# Altium PCB Ethernet2Mil_Adapter_Dual.PcbDoc (part 4 of 5) (continued)
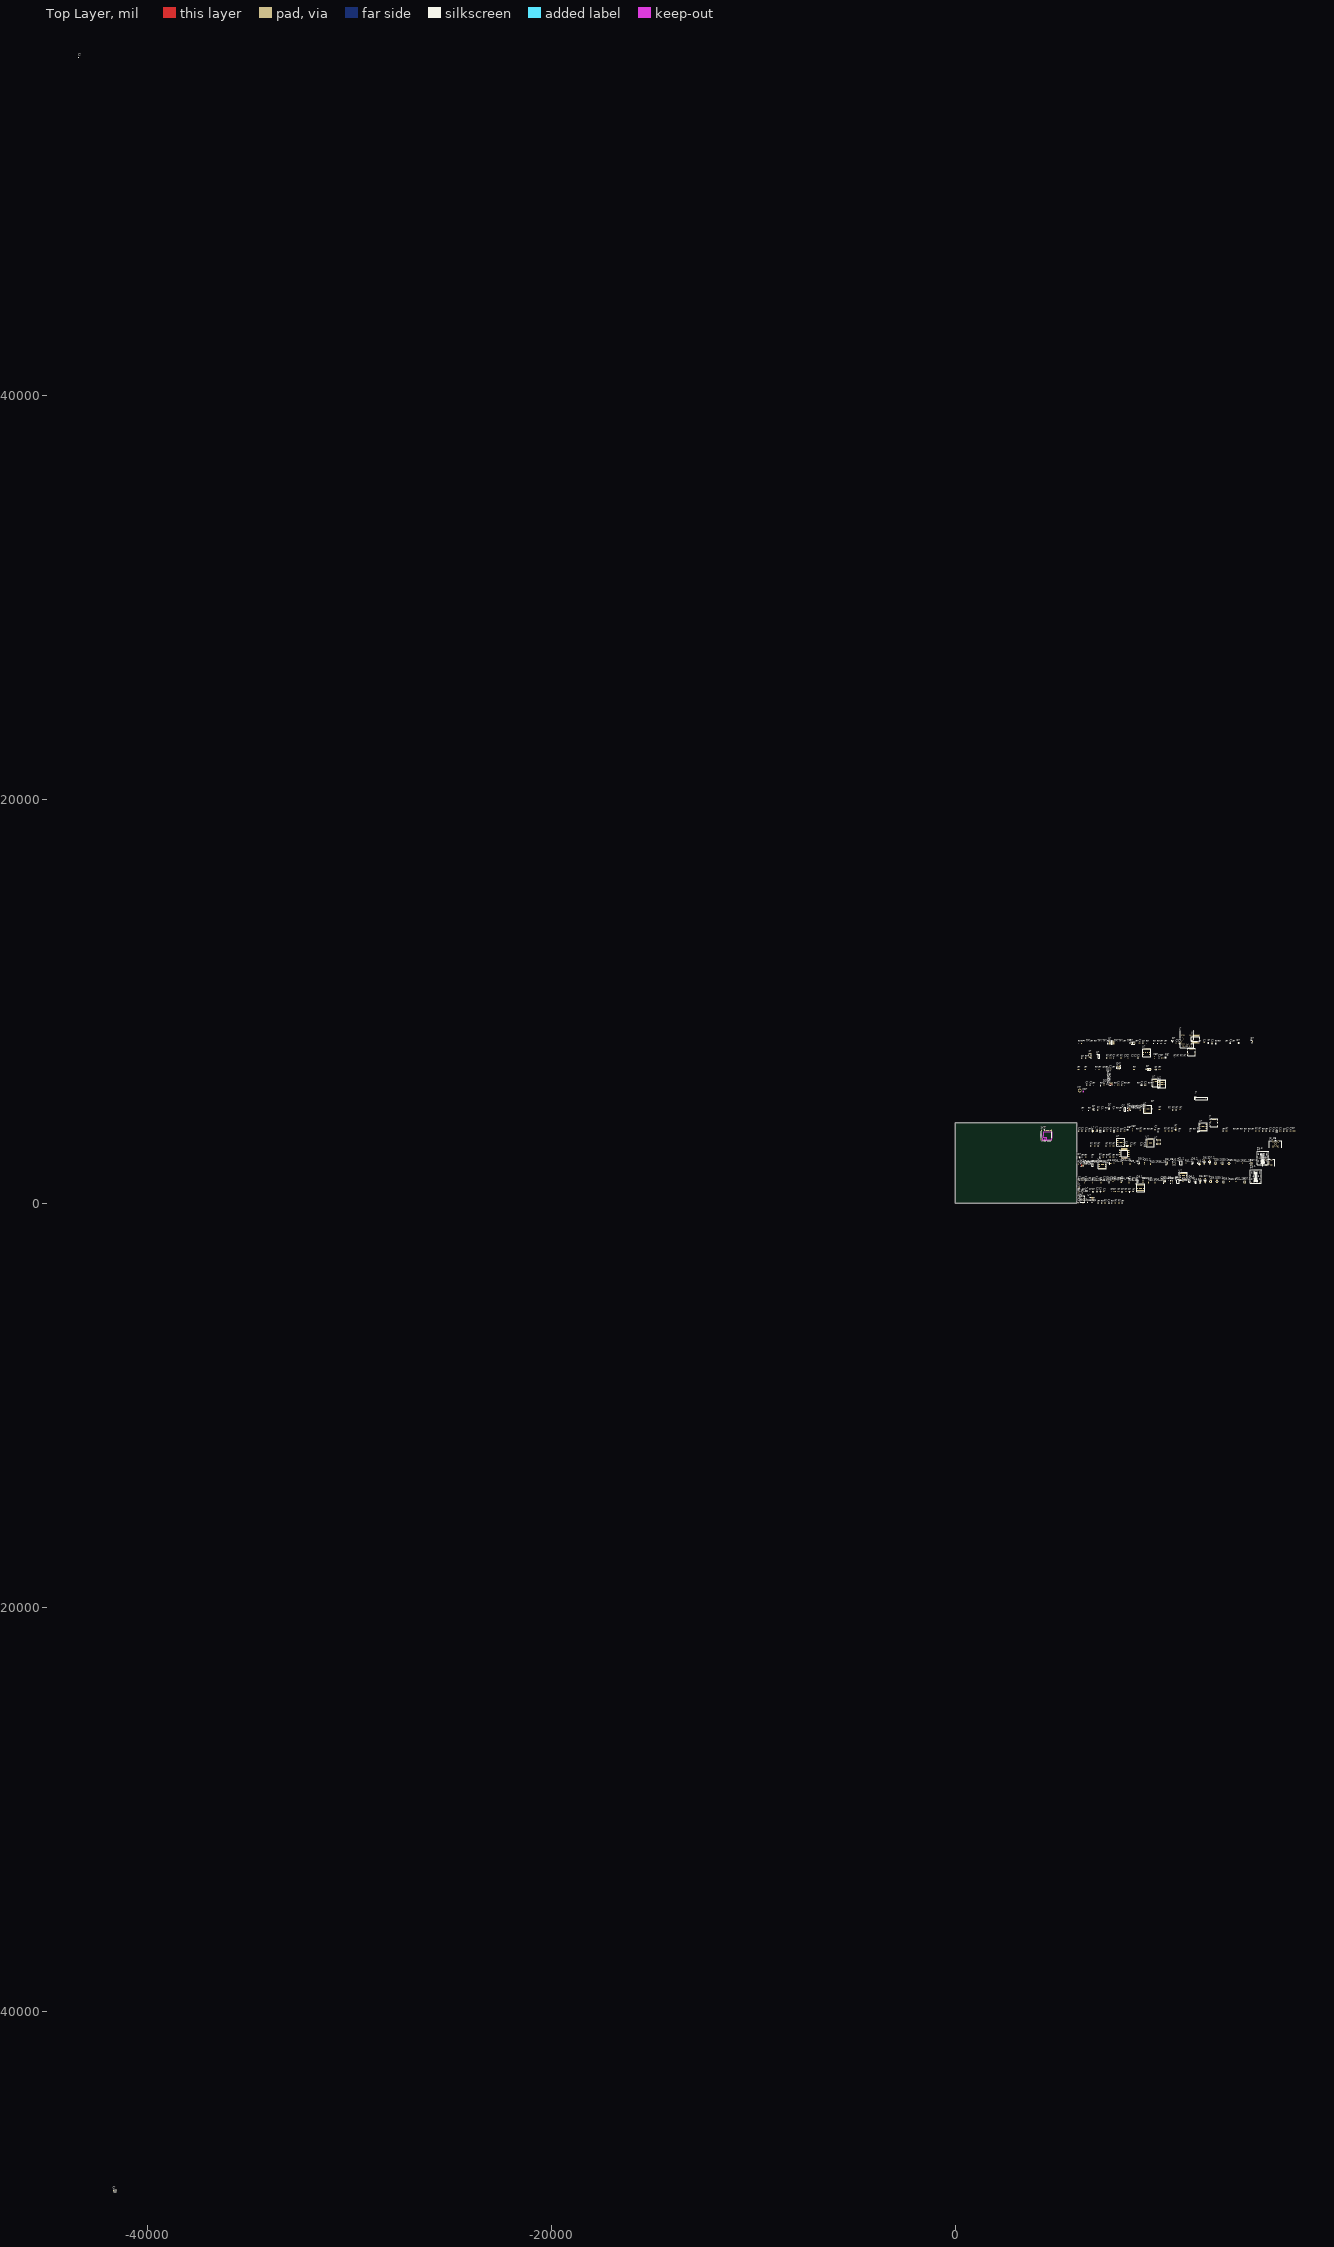
[diagram p0: Top Layer view]
## Nets (pads, with @x,y where several pads share a name; then routed paths per layer and width w, separated by ;. In a path a pad name is that pad's centre, name@x,y a point inside that pad or via, vN(x,y) a via of type N, cw(c..) or ccw(c..) an arc to the next point about the centre after c; other vN are vias at no path point) (continued)
U?.H10@8185,3074.37 U?.H10@9160,814.37 U?.H10@9460,7504.37 U?.H10@9525,4689.37 U?.H10@9645,3049.37 U?.H10@10170.63,5925 U?.H10@11275,1379.37 U?.H10@12215.63,3785 U?.H11@7284.68,1944.37 U?.H11@9179.68,814.37 U?.H11@9479.68,7504.37 U?.H11@9544.68,4689.37 U?.H11@9664.68,3049.37 U?.H11@9890.63,5994.69 U?.H11@10170.63,5944.69 U?.H11@11294.68,1379.37 U?.H11@12215.63,3804.69 U?.H12@7304.37,1944.37 U?.H12@9199.37,814.37 U?.H12@9499.37,7504.37 U?.H12@9564.37,4689.37 U?.H12@9684.37,3049.37 U?.H12@9890.63,6014.37 U?.H12@10170.63,5964.37 U?.H12@11314.37,1379.37 U?.H12@12215.63,3824.37 U?.H13@7324.06,1944.37 U?.H13@8244.06,3074.37 U?.H13@9219.06,814.37 U?.H13@9519.06,7504.37 U?.H13@9584.06,4689.37 U?.H13@9704.06,3049.37 U?.H13@10170.63,5984.06 U?.H13@11334.06,1379.37 U?.H13@12215.63,3844.06 U?.H17@7402.8,1944.37 U?.H17@8322.8,3074.37 U?.H17@9597.8,7504.37 U?.H17@9662.8,4689.37 U?.H17@9782.8,3049.37 U?.H17@9890.63,6112.8 U?.H17@10170.63,6062.8 U?.H17@11412.8,1379.37 U?.H17@12215.63,3922.8 U?.H18@7422.48,1944.37 U?.H18@9317.48,814.37 U?.H18@9617.48,7504.37 U?.H18@9682.48,4689.37 U?.H18@9802.48,3049.37 U?.H18@9890.63,6132.48 U?.H18@10170.63,6082.48 U?.H18@11432.48,1379.37 U?.H18@12215.63,3942.48 U?.H19@7442.17,1944.37 U?.H19@8362.17,3074.37 U?.H19@9637.17,7504.37 U?.H19@9702.17,4689.37 U?.H19@9822.17,3049.37 U?.H19@9890.63,6152.17 U?.H19@10170.63,6102.17 U?.H19@11452.17,1379.37 U?.H19@12215.63,3962.17 U?.J1@7087.83,1924.69 U?.J1@8007.83,3054.69 U?.J1@8982.83,794.69 U?.J1@9282.83,7484.69 U?.J1@9347.83,4669.69 U?.J1@9467.83,3029.69 U?.J1@9910.31,5797.83 U?.J1@10190.31,5747.83 U?.J1@11097.83,1359.69 U?.J2@7107.52,1924.69 U?.J2@8027.52,3054.69 U?.J2@9002.52,794.69 U?.J2@9302.52,7484.69 U?.J2@9367.52,4669.69 U?.J2@9487.52,3029.69 U?.J2@9910.31,5817.52 U?.J2@10190.31,5767.52 U?.J2@11117.52,1359.69 U?.J3@7127.2,1924.69 U?.J3@8047.2,3054.69 U?.J3@9022.2,794.69 U?.J3@9322.2,7484.69 U?.J3@9387.2,4669.69 U?.J3@9507.2,3029.69 U?.J3@9910.31,5837.2 U?.J3@10190.31,5787.2 U?.J3@11137.2,1359.69 U?.J7@7205.94,1924.69 U?.J7@8125.94,3054.69 U?.J7@9100.94,794.69 U?.J7@9400.94,7484.69 U?.J7@9465.94,4669.69 U?.J7@9585.94,3029.69 U?.J7@9910.31,5915.94 U?.J7@11215.94,1359.69 U?.J7@12235.31,3725.94 U?.J8@7225.63,1924.69 U?.J8@9120.63,794.69 U?.J8@9420.63,7484.69 U?.J8@9485.63,4669.69 U?.J8@9605.63,3029.69 U?.J8@9910.31,5935.63 U?.J8@10190.31,5885.63 U?.J8@11235.63,1359.69 U?.J8@12235.31,3745.63 U?.J9@7245.31,1924.69 U?.J9@9140.31,794.69 U?.J9@9440.31,7484.69 U?.J9@9505.31,4669.69 U?.J9@9625.31,3029.69 U?.J9@9910.31,5955.31 U?.J9@10190.31,5905.31 U?.J9@11255.31,1359.69 U?.J9@12235.31,3765.31 U?.J10@7265,1924.69 U?.J10@8185,3054.69 U?.J10@9160,794.69 U?.J10@9460,7484.69 U?.J10@9525,4669.69 U?.J10@9645,3029.69 U?.J10@10190.31,5925 U?.J10@11275,1359.69 U?.J10@12235.31,3785 U?.J11@7284.68,1924.69 U?.J11@9179.68,794.69 U?.J11@9479.68,7484.69 U?.J11@9544.68,4669.69 U?.J11@9664.68,3029.69 U?.J11@9910.31,5994.69 U?.J11@10190.31,5944.69 U?.J11@11294.68,1359.69 U?.J11@12235.31,3804.69 U?.J12@7304.37,1924.69 U?.J12@9199.37,794.69 U?.J12@9499.37,7484.69 U?.J12@9564.37,4669.69 U?.J12@9684.37,3029.69 U?.J12@9910.31,6014.37 U?.J12@10190.31,5964.37 U?.J12@11314.37,1359.69 U?.J12@12235.31,3824.37 U?.J13@7324.06,1924.69 U?.J13@8244.06,3054.69 U?.J13@9219.06,794.69 U?.J13@9519.06,7484.69 U?.J13@9584.06,4669.69 U?.J13@9704.06,3029.69 U?.J13@10190.31,5984.06 U?.J13@11334.06,1359.69 U?.J13@12235.31,3844.06 U?.J17@7402.8,1924.69 U?.J17@8322.8,3054.69 U?.J17@9597.8,7484.69 U?.J17@9662.8,4669.69 U?.J17@9782.8,3029.69 U?.J17@9910.31,6112.8 U?.J17@10190.31,6062.8 U?.J17@11412.8,1359.69 U?.J17@12235.31,3922.8 U?.J18@7422.48,1924.69 U?.J18@8342.48,3054.69 U?.J18@9617.48,7484.69 U?.J18@9682.48,4669.69 U?.J18@9802.48,3029.69 U?.J18@9910.31,6132.48 U?.J18@10190.31,6082.48 U?.J18@11432.48,1359.69 U?.J18@12235.31,3942.48 U?.J19@7442.17,1924.69 U?.J19@8362.17,3054.69 U?.J19@9637.17,7484.69 U?.J19@9702.17,4669.69 U?.J19@9822.17,3029.69 U?.J19@9910.31,6152.17 U?.J19@10190.31,6102.17 U?.J19@11452.17,1359.69 U?.J19@12235.31,3962.17 U?.K1@7087.83,1905 U?.K1@8007.83,3035 U?.K1@8982.83,775 U?.K1@9282.83,7465 U?.K1@9347.83,4650 U?.K1@9467.83,3010 U?.K1@9930,5797.83 U?.K1@11097.83,1340 U?.K1@12255,3607.83 U?.K2@7107.52,1905 U?.K2@8027.52,3035 U?.K2@9002.52,775 U?.K2@9302.52,7465 U?.K2@9367.52,4650 U?.K2@9487.52,3010 U?.K2@9930,5817.52 U?.K2@10210,5767.52 U?.K2@11117.52,1340 U?.K3@7127.2,1905 U?.K3@8047.2,3035 U?.K3@9022.2,775 U?.K3@9322.2,7465 U?.K3@9387.2,4650 U?.K3@9507.2,3010 U?.K3@9930,5837.2 U?.K3@10210,5787.2 U?.K3@11137.2,1340 U?.K7@7205.94,1905 U?.K7@8125.94,3035 U?.K7@9100.94,775 U?.K7@9400.94,7465 U?.K7@9465.94,4650 U?.K7@9585.94,3010 U?.K7@9930,5915.94 U?.K7@11215.94,1340 U?.K7@12255,3725.94 U?.K8@7225.63,1905 U?.K8@9120.63,775 U?.K8@9420.63,7465 U?.K8@9485.63,4650 U?.K8@9605.63,3010 U?.K8@9930,5935.63 U?.K8@10210,5885.63 U?.K8@11235.63,1340 U?.K8@12255,3745.63 U?.K12@7304.37,1905 U?.K12@8224.37,3035 U?.K12@9199.37,775 U?.K12@9499.37,7465 U?.K12@9564.37,4650 U?.K12@9684.37,3010 U?.K12@9930,6014.37 U?.K12@11314.37,1340 U?.K12@12255,3824.37 U?.K13@7324.06,1905 U?.K13@8244.06,3035 U?.K13@9219.06,775 U?.K13@9519.06,7465 U?.K13@9584.06,4650 U?.K13@9704.06,3010 U?.K13@9930,6034.06 U?.K13@11334.06,1340 U?.K13@12255,3844.06 U?.K17@7402.8,1905 U?.K17@8322.8,3035 U?.K17@9597.8,7465 U?.K17@9662.8,4650 U?.K17@9782.8,3010 U?.K17@9930,6112.8 U?.K17@10210,6062.8 U?.K17@11412.8,1340 U?.K17@12255,3922.8 U?.K18@7422.48,1905 U?.K18@8342.48,3035 U?.K18@9617.48,7465 U?.K18@9682.48,4650 U?.K18@9802.48,3010 U?.K18@9930,6132.48 U?.K18@10210,6082.48 U?.K18@11432.48,1340 U?.K18@12255,3942.48 U?.K19@7442.17,1905 U?.K19@8362.17,3035 U?.K19@9637.17,7465 U?.K19@9702.17,4650 U?.K19@9822.17,3010 U?.K19@9930,6152.17 U?.K19@10210,6102.17 U?.K19@11452.17,1340 U?.K19@12255,3962.17 U?.L1@7087.83,1885.32 U?.L1@8007.83,3015.32 U?.L1@8982.83,755.32 U?.L1@9282.83,7445.32 U?.L1@9347.83,4630.31 U?.L1@9467.83,2990.32 U?.L1@9949.68,5797.83 U?.L1@10229.68,5747.83 U?.L1@11097.83,1320.32 U?.L2@7107.52,1885.32 U?.L2@8027.52,3015.32 U?.L2@9002.52,755.32 U?.L2@9302.52,7445.32 U?.L2@9367.52,4630.31 U?.L2@9487.52,2990.32 U?.L2@9949.68,5817.52 U?.L2@10229.68,5767.52 U?.L2@11117.52,1320.32 U?.L3@7127.2,1885.32 U?.L3@8047.2,3015.32 U?.L3@9022.2,755.32 U?.L3@9322.2,7445.32 U?.L3@9387.2,4630.31 U?.L3@9507.2,2990.32 U?.L3@9949.68,5837.2 U?.L3@10229.68,5787.2 U?.L3@11137.2,1320.32 U?.L7@7205.94,1885.32 U?.L7@8125.94,3015.32 U?.L7@9100.94,755.32 U?.L7@9400.94,7445.32 U?.L7@9465.94,4630.31 U?.L7@9585.94,2990.32 U?.L7@9949.68,5915.94 U?.L7@11215.94,1320.32 U?.L7@12274.68,3725.94 U?.L8@7225.63,1885.32 U?.L8@9120.63,755.32 U?.L8@9420.63,7445.32 U?.L8@9485.63,4630.31 U?.L8@9605.63,2990.32 U?.L8@9949.68,5935.63 U?.L8@10229.68,5885.63 U?.L8@11235.63,1320.32 U?.L8@12274.68,3745.63 U?.L9@7245.31,1885.32 U?.L9@9140.31,755.32 U?.L9@9440.31,7445.32 U?.L9@9505.31,4630.31 U?.L9@9625.31,2990.32 U?.L9@9949.68,5955.31 U?.L9@10229.68,5905.31 U?.L9@11255.31,1320.32 U?.L9@12274.68,3765.31 U?.L10@7265,1885.32 U?.L10@8185,3015.32 U?.L10@9160,755.32 U?.L10@9460,7445.32 U?.L10@9525,4630.31 U?.L10@9645,2990.32 U?.L10@10229.68,5925 U?.L10@11275,1320.32 U?.L10@12274.68,3785 U?.L11@7284.68,1885.32 U?.L11@9179.68,755.32 U?.L11@9479.68,7445.32 U?.L11@9544.68,4630.31 U?.L11@9664.68,2990.32 U?.L11@9949.68,5994.69 U?.L11@10229.68,5944.69 U?.L11@11294.68,1320.32 U?.L11@12274.68,3804.69 U?.L12@7304.37,1885.32 U?.L12@8224.37,3015.32 U?.L12@9199.37,755.32 U?.L12@9499.37,7445.32 U?.L12@9564.37,4630.31 U?.L12@9684.37,2990.32 U?.L12@9949.68,6014.37 U?.L12@11314.37,1320.32 U?.L12@12274.68,3824.37 U?.L13@7324.06,1885.32 U?.L13@8244.06,3015.32 U?.L13@9219.06,755.32 U?.L13@9519.06,7445.32 U?.L13@9584.06,4630.31 U?.L13@9704.06,2990.32 U?.L13@9949.68,6034.06 U?.L13@11334.06,1320.32 U?.L13@12274.68,3844.06 U?.L17@7402.8,1885.32 U?.L17@8322.8,3015.32 U?.L17@9597.8,7445.32 U?.L17@9662.8,4630.31 U?.L17@9782.8,2990.32 U?.L17@9949.68,6112.8 U?.L17@10229.68,6062.8 U?.L17@11412.8,1320.32 U?.L17@12274.68,3922.8 U?.L18@7422.48,1885.32 U?.L18@8342.48,3015.32 U?.L18@9617.48,7445.32 U?.L18@9682.48,4630.31 U?.L18@9802.48,2990.32 U?.L18@9949.68,6132.48 U?.L18@10229.68,6082.48 U?.L18@11432.48,1320.32 U?.L18@12274.68,3942.48 U?.L19@7442.17,1885.32 U?.L19@9337.17,755.32 U?.L19@9637.17,7445.32 U?.L19@9702.17,4630.31 U?.L19@9822.17,2990.32 U?.L19@9949.68,6152.17 U?.L19@10229.68,6102.17 U?.L19@11452.17,1320.32 U?.L19@12274.68,3962.17 U?.M1@7087.83,1865.63 U?.M1@8007.83,2995.63 U?.M1@8982.83,735.63 U?.M1@9282.83,7425.63 U?.M1@9347.83,4610.63 U?.M1@9467.83,2970.63 U?.M1@9969.37,5797.83 U?.M1@10249.37,5747.83 U?.M1@11097.83,1300.63 U?.M2@7107.52,1865.63 U?.M2@8027.52,2995.63 U?.M2@9002.52,735.63 U?.M2@9302.52,7425.63 U?.M2@9367.52,4610.63 U?.M2@9487.52,2970.63 U?.M2@9969.37,5817.52 U?.M2@10249.37,5767.52 U?.M2@11117.52,1300.63 U?.M3@7127.2,1865.63 U?.M3@8047.2,2995.63 U?.M3@9022.2,735.63 U?.M3@9322.2,7425.63 U?.M3@9387.2,4610.63 U?.M3@9507.2,2970.63 U?.M3@9969.37,5837.2 U?.M3@10249.37,5787.2 U?.M3@11137.2,1300.63 U?.M7@7205.94,1865.63 U?.M7@8125.94,2995.63 U?.M7@9100.94,735.63 U?.M7@9400.94,7425.63 U?.M7@9465.94,4610.63 U?.M7@9585.94,2970.63 U?.M7@9969.37,5915.94 U?.M7@11215.94,1300.63 U?.M7@12294.37,3725.94 U?.M8@7225.63,1865.63 U?.M8@8145.63,2995.63 U?.M8@9120.63,735.63 U?.M8@9420.63,7425.63 U?.M8@9485.63,4610.63 U?.M8@9605.63,2970.63 U?.M8@9969.37,5935.63 U?.M8@11235.63,1300.63 U?.M8@12294.37,3745.63 U?.M9@7245.31,1865.63 U?.M9@9140.31,735.63 U?.M9@9440.31,7425.63 U?.M9@9505.31,4610.63 U?.M9@9625.31,2970.63 U?.M9@9969.37,5955.31 U?.M9@10249.37,5905.31 U?.M9@11255.31,1300.63 U?.M9@12294.37,3765.31 U?.M10@7265,1865.63 U?.M10@8185,2995.63 U?.M10@9160,735.63 U?.M10@9460,7425.63 U?.M10@9525,4610.63 U?.M10@9645,2970.63 U?.M10@10249.37,5925 U?.M10@11275,1300.63 U?.M10@12294.37,3785 U?.M11@7284.68,1865.63 U?.M11@8204.68,2995.63 U?.M11@9179.68,735.63 U?.M11@9479.68,7425.63 U?.M11@9544.68,4610.63 U?.M11@9664.68,2970.63 U?.M11@10249.37,5944.69 U?.M11@11294.68,1300.63 U?.M11@12294.37,3804.69 U?.M12@7304.37,1865.63 U?.M12@8224.37,2995.63 U?.M12@9199.37,735.63 U?.M12@9499.37,7425.63 U?.M12@9564.37,4610.63 U?.M12@9684.37,2970.63 U?.M12@9969.37,6014.37 U?.M12@11314.37,1300.63 U?.M12@12294.37,3824.37 U?.M13@7324.06,1865.63 U?.M13@9219.06,735.63 U?.M13@9519.06,7425.63 U?.M13@9584.06,4610.63 U?.M13@9704.06,2970.63 U?.M13@9969.37,6034.06 U?.M13@10249.37,5984.06 U?.M13@11334.06,1300.63 U?.M13@12294.37,3844.06 U?.M17@7402.8,1865.63 U?.M17@8322.8,2995.63 U?.M17@9297.8,735.63 U?.M17@9597.8,7425.63 U?.M17@9662.8,4610.63 U?.M17@9782.8,2970.63 U?.M17@9969.37,6112.8 U?.M17@11412.8,1300.63 U?.M17@12294.37,3922.8 U?.M18@7422.48,1865.63 U?.M18@8342.48,2995.63 U?.M18@9617.48,7425.63 U?.M18@9682.48,4610.63 U?.M18@9802.48,2970.63 U?.M18@9969.37,6132.48 U?.M18@10249.37,6082.48 U?.M18@11432.48,1300.63 U?.M18@12294.37,3942.48 U?.M19@7442.17,1865.63 U?.M19@8362.17,2995.63 U?.M19@9637.17,7425.63 U?.M19@9702.17,4610.63 U?.M19@9822.17,2970.63 U?.M19@9969.37,6152.17 U?.M19@10249.37,6102.17 U?.M19@11452.17,1300.63 U?.M19@12294.37,3962.17 U?.N1@7087.83,1845.94 U?.N1@8007.83,2975.94 U?.N1@8982.83,715.94 U?.N1@9282.83,7405.94 U?.N1@9347.83,4590.94 U?.N1@9467.83,2950.94 U?.N1@9989.06,5797.83 U?.N1@10269.06,5747.83 U?.N1@11097.83,1280.94 U?.N2@7107.52,1845.94 U?.N2@8027.52,2975.94 U?.N2@9002.52,715.94 U?.N2@9302.52,7405.94 U?.N2@9367.52,4590.94 U?.N2@9487.52,2950.94 U?.N2@9989.06,5817.52 U?.N2@10269.06,5767.52 U?.N2@11117.52,1280.94 U?.N3@7127.2,1845.94 U?.N3@8047.2,2975.94 U?.N3@9022.2,715.94 U?.N3@9322.2,7405.94 U?.N3@9387.2,4590.94 U?.N3@9507.2,2950.94 U?.N3@9989.06,5837.2 U?.N3@10269.06,5787.2 U?.N3@11137.2,1280.94 U?.N7@7205.94,1845.94 U?.N7@8125.94,2975.94 U?.N7@9100.94,715.94 U?.N7@9400.94,7405.94 U?.N7@9465.94,4590.94 U?.N7@9585.94,2950.94 U?.N7@9989.06,5915.94 U?.N7@11215.94,1280.94 U?.N7@12314.06,3725.94 U?.N8@7225.63,1845.94 U?.N8@8145.63,2975.94 U?.N8@9120.63,715.94 U?.N8@9420.63,7405.94 U?.N8@9485.63,4590.94 U?.N8@9605.63,2950.94 U?.N8@9989.06,5935.63 U?.N8@11235.63,1280.94 U?.N8@12314.06,3745.63 U?.N9@7245.31,1845.94 U?.N9@9140.31,715.94 U?.N9@9440.31,7405.94 U?.N9@9505.31,4590.94 U?.N9@9625.31,2950.94 U?.N9@9989.06,5955.31 U?.N9@10269.06,5905.31 U?.N9@11255.31,1280.94 U?.N9@12314.06,3765.31 U?.N10@7265,1845.94 U?.N10@8185,2975.94 U?.N10@9160,715.94 U?.N10@9460,7405.94 U?.N10@9525,4590.94 U?.N10@9645,2950.94 U?.N10@10269.06,5925 U?.N10@11275,1280.94 U?.N10@12314.06,3785 U?.N11@7284.68,1845.94 U?.N11@8204.68,2975.94 U?.N11@9179.68,715.94 U?.N11@9479.68,7405.94 U?.N11@9544.68,4590.94 U?.N11@9664.68,2950.94 U?.N11@10269.06,5944.69 U?.N11@11294.68,1280.94 U?.N11@12314.06,3804.69 U?.N12@7304.37,1845.94 U?.N12@9199.37,715.94 U?.N12@9499.37,7405.94 U?.N12@9564.37,4590.94 U?.N12@9684.37,2950.94 U?.N12@9989.06,6014.37 U?.N12@10269.06,5964.37 U?.N12@11314.37,1280.94 U?.N12@12314.06,3824.37 U?.N13@7324.06,1845.94 U?.N13@9219.06,715.94 U?.N13@9519.06,7405.94 U?.N13@9584.06,4590.94 U?.N13@9704.06,2950.94 U?.N13@9989.06,6034.06 U?.N13@10269.06,5984.06 U?.N13@11334.06,1280.94 U?.N13@12314.06,3844.06 U?.N17@7402.8,1845.94 U?.N17@8322.8,2975.94 U?.N17@9597.8,7405.94 U?.N17@9662.8,4590.94 U?.N17@9782.8,2950.94 U?.N17@9989.06,6112.8 U?.N17@10269.06,6062.8 U?.N17@11412.8,1280.94 U?.N17@12314.06,3922.8 U?.N18@7422.48,1845.94 U?.N18@8342.48,2975.94 U?.N18@9617.48,7405.94 U?.N18@9682.48,4590.94 U?.N18@9802.48,2950.94 U?.N18@9989.06,6132.48 U?.N18@10269.06,6082.48 U?.N18@11432.48,1280.94 U?.N18@12314.06,3942.48 U?.N19@7442.17,1845.94 U?.N19@8362.17,2975.94 U?.N19@9637.17,7405.94 U?.N19@9702.17,4590.94 U?.N19@9822.17,2950.94 U?.N19@9989.06,6152.17 U?.N19@10269.06,6102.17 U?.N19@11452.17,1280.94 U?.N19@12314.06,3962.17 U?.P1@7087.83,1826.26 U?.P1@8007.83,2956.26 U?.P1@8982.83,696.26 U?.P1@9282.83,7386.26 U?.P1@9347.83,4571.26 U?.P1@9467.83,2931.26 U?.P1@10008.74,5797.83 U?.P1@10288.74,5747.83 U?.P1@11097.83,1261.26 U?.P2@7107.52,1826.26 U?.P2@9002.52,696.26 U?.P2@9302.52,7386.26 U?.P2@9367.52,4571.26 U?.P2@9487.52,2931.26 U?.P2@10008.74,5817.52 U?.P2@10288.74,5767.52 U?.P2@11117.52,1261.26 U?.P2@12333.74,3627.52 U?.P3@7127.2,1826.26 U?.P3@8047.2,2956.26 U?.P3@9022.2,696.26 U?.P3@9322.2,7386.26 U?.P3@9387.2,4571.26 U?.P3@9507.2,2931.26 U?.P3@10008.74,5837.2 U?.P3@10288.74,5787.2 U?.P3@11137.2,1261.26 U?.P17@7402.8,1826.26 U?.P17@8322.8,2956.26 U?.P17@9597.8,7386.26 U?.P17@9662.8,4571.26 U?.P17@9782.8,2931.26 U?.P17@10008.74,6112.8 U?.P17@10288.74,6062.8 U?.P17@11412.8,1261.26 U?.P17@12333.74,3922.8 U?.P18@7422.48,1826.26 U?.P18@8342.48,2956.26 U?.P18@9617.48,7386.26 U?.P18@9682.48,4571.26 U?.P18@9802.48,2931.26 U?.P18@10008.74,6132.48 U?.P18@10288.74,6082.48 U?.P18@11432.48,1261.26 U?.P18@12333.74,3942.48 U?.P19@7442.17,1826.26 U?.P19@8362.17,2956.26 U?.P19@9637.17,7386.26 U?.P19@9702.17,4571.26 U?.P19@9822.17,2931.26 U?.P19@10008.74,6152.17 U?.P19@10288.74,6102.17 U?.P19@11452.17,1261.26 U?.P19@12333.74,3962.17 U?.R1@7087.83,1806.57 U?.R1@8007.83,2936.57 U?.R1@8982.83,676.57 U?.R1@9282.83,7366.57 U?.R1@9347.83,4551.57 U?.R1@9467.83,2911.57 U?.R1@10028.43,5797.83 U?.R1@11097.83,1241.57 U?.R1@12353.43,3607.83 U?.R2@7107.52,1806.57 U?.R2@8027.52,2936.57 U?.R2@9002.52,676.57 U?.R2@9302.52,7366.57 U?.R2@9487.52,2911.57 U?.R2@10028.43,5817.52 U?.R2@10308.43,5767.52 U?.R2@11117.52,1241.57 U?.R2@12353.43,3627.52 U?.R3@7127.2,1806.57 U?.R3@8047.2,2936.57 U?.R3@9022.2,676.57 U?.R3@9322.2,7366.57 U?.R3@9507.2,2911.57 U?.R3@10028.43,5837.2 U?.R3@10308.43,5787.2 U?.R3@11137.2,1241.57 U?.R3@12353.43,3647.2 U?.R17@7402.8,1806.57 U?.R17@8322.8,2936.57 U?.R17@9297.8,676.57 U?.R17@9597.8,7366.57 U?.R17@9662.8,4551.57 U?.R17@9782.8,2911.57 U?.R17@10028.43,6112.8 U?.R17@11412.8,1241.57 U?.R17@12353.43,3922.8 U?.R18@7422.48,1806.57 U?.R18@8342.48,2936.57 U?.R18@9617.48,7366.57 U?.R18@9682.48,4551.57 U?.R18@9802.48,2911.57 U?.R18@10028.43,6132.48 U?.R18@10308.43,6082.48 U?.R18@11432.48,1241.57 U?.R18@12353.43,3942.48 U?.R19@7442.17,1806.57 U?.R19@8362.17,2936.57 U?.R19@9637.17,7366.57 U?.R19@9702.17,4551.57 U?.R19@9822.17,2911.57 U?.R19@10028.43,6152.17 U?.R19@10308.43,6102.17 U?.R19@11452.17,1241.57 U?.R19@12353.43,3962.17 U?.T1@7087.83,1786.89 U?.T1@8007.83,2916.89 U?.T1@8982.83,656.89 U?.T1@9282.83,7346.89 U?.T1@9467.83,2891.89 U?.T1@10048.11,5797.83 U?.T1@10328.11,5747.83 U?.T1@11097.83,1221.89 U?.T1@12373.11,3607.83 U?.T2@7107.52,1786.89 U?.T2@8027.52,2916.89 U?.T2@9002.52,656.89 U?.T2@9302.52,7346.89 U?.T2@9487.52,2891.89 U?.T2@10048.11,5817.52 U?.T2@10328.11,5767.52 U?.T2@11117.52,1221.89 U?.T2@12373.11,3627.52 U?.T3@7127.2,1786.89 U?.T3@8047.2,2916.89 U?.T3@9022.2,656.89 U?.T3@9322.2,7346.89 U?.T3@9507.2,2891.89 U?.T3@10048.11,5837.2 U?.T3@10328.11,5787.2 U?.T3@11137.2,1221.89 U?.T3@12373.11,3647.2 U?.T17@7402.8,1786.89 U?.T17@8322.8,2916.89 U?.T17@9597.8,7346.89 U?.T17@9662.8,4531.89 U?.T17@9782.8,2891.89 U?.T17@10048.11,6112.8 U?.T17@10328.11,6062.8 U?.T17@11412.8,1221.89 U?.T17@12373.11,3922.8 U?.T18@7422.48,1786.89 U?.T18@8342.48,2916.89 U?.T18@9617.48,7346.89 U?.T18@9682.48,4531.89 U?.T18@9802.48,2891.89 U?.T18@10048.11,6132.48 U?.T18@10328.11,6082.48 U?.T18@11432.48,1221.89 U?.T18@12373.11,3942.48 U?.T19@7442.17,1786.89 U?.T19@9337.17,656.89 U?.T19@9637.17,7346.89 U?.T19@9702.17,4531.89 U?.T19@9822.17,2891.89 U?.T19@10048.11,6152.17 U?.T19@10328.11,6102.17 U?.T19@11452.17,1221.89 U?.T19@12373.11,3962.17 U?.U1@7087.83,1767.2 U?.U1@8007.83,2897.2 U?.U1@8982.83,637.2 U?.U1@9282.83,7327.2 U?.U1@9467.83,2872.2 U?.U1@10067.8,5797.83 U?.U1@10347.8,5747.83 U?.U1@11097.83,1202.2 U?.U1@12392.8,3607.83 U?.U2@7107.52,1767.2 U?.U2@8027.52,2897.2 U?.U2@9002.52,637.2 U?.U2@9302.52,7327.2 U?.U2@9487.52,2872.2 U?.U2@10067.8,5817.52 U?.U2@10347.8,5767.52 U?.U2@11117.52,1202.2 U?.U2@12392.8,3627.52 U?.U3@7127.2,1767.2 U?.U3@8047.2,2897.2 U?.U3@9022.2,637.2 U?.U3@9322.2,7327.2 U?.U3@9507.2,2872.2 U?.U3@10067.8,5837.2 U?.U3@10347.8,5787.2 U?.U3@11137.2,1202.2 U?.U3@12392.8,3647.2 U?.U4@7146.89,1767.2 U?.U4@8066.89,2897.2 U?.U4@9041.89,637.2 U?.U4@9341.89,7327.2 U?.U4@9526.89,2872.2 U?.U4@10067.8,5856.89 U?.U4@10347.8,5806.89 U?.U4@11156.89,1202.2 U?.U4@12392.8,3666.89 U?.U5@7166.57,1767.2 U?.U5@8086.57,2897.2 U?.U5@9061.57,637.2 U?.U5@9361.57,7327.2 U?.U5@9546.57,2872.2 U?.U5@10067.8,5876.57 U?.U5@10347.8,5826.57 U?.U5@11176.57,1202.2 U?.U5@12392.8,3686.57 U?.U6@7186.26,1767.2 U?.U6@9081.26,637.2 U?.U6@9381.26,7327.2 U?.U6@9446.26,4512.2 U?.U6@9566.26,2872.2 U?.U6@10067.8,5896.26 U?.U6@10347.8,5846.26 U?.U6@11196.26,1202.2 U?.U6@12392.8,3706.26 U?.U7@7205.94,1767.2 U?.U7@8125.94,2897.2 U?.U7@9100.94,637.2 U?.U7@9400.94,7327.2 U?.U7@9585.94,2872.2 U?.U7@10067.8,5915.94 U?.U7@10347.8,5865.94 U?.U7@11215.94,1202.2 U?.U7@12392.8,3725.94 U?.U8@7225.63,1767.2 U?.U8@8145.63,2897.2 U?.U8@9120.63,637.2 U?.U8@9420.63,7327.2 U?.U8@9605.63,2872.2 U?.U8@10067.8,5935.63 U?.U8@10347.8,5885.63 U?.U8@11235.63,1202.2 U?.U8@12392.8,3745.63 U?.U9@7245.31,1767.2 U?.U9@9140.31,637.2 U?.U9@9440.31,7327.2 U?.U9@9505.31,4512.2 U?.U9@9625.31,2872.2 U?.U9@10067.8,5955.31 U?.U9@10347.8,5905.31 U?.U9@11255.31,1202.2 U?.U9@12392.8,3765.31 U?.U10@7265,1767.2 U?.U10@8185,2897.2 U?.U10@9160,637.2 U?.U10@9525,4512.2 U?.U10@9645,2872.2 U?.U10@10067.8,5975 U?.U10@10347.8,5925 U?.U10@11275,1202.2 U?.U10@12392.8,3785 U?.U11@7284.68,1767.2 U?.U11@8204.68,2897.2 U?.U11@9179.68,637.2 U?.U11@9544.68,4512.2 U?.U11@9664.68,2872.2 U?.U11@10067.8,5994.69 U?.U11@10347.8,5944.69 U?.U11@11294.68,1202.2 U?.U11@12392.8,3804.69 U?.U12@7304.37,1767.2 U?.U12@8224.37,2897.2 U?.U12@9199.37,637.2 U?.U12@9564.37,4512.2 U?.U12@9684.37,2872.2 U?.U12@10067.8,6014.37 U?.U12@10347.8,5964.37 U?.U12@11314.37,1202.2 U?.U12@12392.8,3824.37 U?.U13@7324.06,1767.2 U?.U13@8244.06,2897.2 U?.U13@9219.06,637.2 U?.U13@9519.06,7327.2 U?.U13@9584.06,4512.2 U?.U13@9704.06,2872.2 U?.U13@10067.8,6034.06 U?.U13@11334.06,1202.2 U?.U13@12392.8,3844.06 U?.U14@7343.74,1767.2 U?.U14@8263.74,2897.2 U?.U14@9538.74,7327.2 U?.U14@9603.74,4512.2 U?.U14@9723.74,2872.2 U?.U14@10067.8,6053.74 U?.U14@10347.8,6003.74 U?.U14@11353.74,1202.2 U?.U14@12392.8,3863.74 U?.U15@7363.43,1767.2 U?.U15@8283.43,2897.2 U?.U15@9558.43,7327.2 U?.U15@9623.43,4512.2 U?.U15@9743.43,2872.2 U?.U15@10067.8,6073.43 U?.U15@10347.8,6023.43 U?.U15@11373.43,1202.2 U?.U15@12392.8,3883.43 U?.U16@7383.11,1767.2 U?.U16@8303.11,2897.2 U?.U16@9578.11,7327.2 U?.U16@9643.11,4512.2 U?.U16@9763.11,2872.2 U?.U16@10067.8,6093.11 U?.U16@10347.8,6043.11 U?.U16@11393.11,1202.2 U?.U16@12392.8,3903.11 U?.U17@7402.8,1767.2 U?.U17@8322.8,2897.2 U?.U17@9597.8,7327.2 U?.U17@9662.8,4512.2 U?.U17@9782.8,2872.2 U?.U17@10067.8,6112.8 U?.U17@10347.8,6062.8 U?.U17@11412.8,1202.2 U?.U17@12392.8,3922.8 U?.U18@7422.48,1767.2 U?.U18@8342.48,2897.2 U?.U18@9617.48,7327.2 U?.U18@9682.48,4512.2 U?.U18@9802.48,2872.2 U?.U18@10067.8,6132.48 U?.U18@10347.8,6082.48 U?.U18@11432.48,1202.2 U?.U18@12392.8,3942.48 U?.U19@7442.17,1767.2 U?.U19@8362.17,2897.2 U?.U19@9637.17,7327.2 U?.U19@9702.17,4512.2 U?.U19@9822.17,2872.2 U?.U19@10067.8,6152.17 U?.U19@10347.8,6102.17 U?.U19@11452.17,1202.2 U?.U19@12392.8,3962.17 U?.V1@7087.83,1747.52 U?.V1@8007.83,2877.52 U?.V1@8982.83,617.52 U?.V1@9282.83,7307.52 U?.V1@9347.83,4492.52 U?.V1@9467.83,2852.52 U?.V1@10087.48,5797.83 U?.V1@11097.83,1182.52 U?.V1@12412.48,3607.83 U?.V2@7107.52,1747.52 U?.V2@8027.52,2877.52 U?.V2@9002.52,617.52 U?.V2@9302.52,7307.52 U?.V2@9487.52,2852.52 U?.V2@10087.48,5817.52 U?.V2@10367.48,5767.52 U?.V2@11117.52,1182.52 U?.V2@12412.48,3627.52 U?.V3@7127.2,1747.52 U?.V3@8047.2,2877.52 U?.V3@9022.2,617.52 U?.V3@9322.2,7307.52 U?.V3@9507.2,2852.52 U?.V3@10087.48,5837.2 U?.V3@10367.48,5787.2 U?.V3@11137.2,1182.52 U?.V3@12412.48,3647.2 U?.V4@7146.89,1747.52 U?.V4@8066.89,2877.52 U?.V4@9041.89,617.52 U?.V4@9341.89,7307.52 U?.V4@9526.89,2852.52 U?.V4@10087.48,5856.89 U?.V4@10367.48,5806.89 U?.V4@11156.89,1182.52 U?.V4@12412.48,3666.89 U?.V5@7166.57,1747.52 U?.V5@8086.57,2877.52 U?.V5@9061.57,617.52 U?.V5@9361.57,7307.52 U?.V5@9546.57,2852.52 U?.V5@10087.48,5876.57 U?.V5@10367.48,5826.57 U?.V5@11176.57,1182.52 U?.V5@12412.48,3686.57 U?.V6@7186.26,1747.52 U?.V6@8106.26,2877.52 U?.V6@9081.26,617.52 U?.V6@9381.26,7307.52 U?.V6@9446.26,4492.52 U?.V6@9566.26,2852.52 U?.V6@10087.48,5896.26 U?.V6@11196.26,1182.52 U?.V6@12412.48,3706.26 U?.V7@7205.94,1747.52 U?.V7@8125.94,2877.52 U?.V7@9100.94,617.52 U?.V7@9400.94,7307.52 U?.V7@9585.94,2852.52 U?.V7@10087.48,5915.94 U?.V7@10367.48,5865.94 U?.V7@11215.94,1182.52 U?.V7@12412.48,3725.94 U?.V8@7225.63,1747.52 U?.V8@8145.63,2877.52 U?.V8@9120.63,617.52 U?.V8@9420.63,7307.52 U?.V8@9605.63,2852.52 U?.V8@10087.48,5935.63 U?.V8@10367.48,5885.63 U?.V8@11235.63,1182.52 U?.V8@12412.48,3745.63 U?.V9@7245.31,1747.52 U?.V9@8165.31,2877.52 U?.V9@9140.31,617.52 U?.V9@9440.31,7307.52 U?.V9@9505.31,4492.52 U?.V9@9625.31,2852.52 U?.V9@10087.48,5955.31 U?.V9@11255.31,1182.52 U?.V9@12412.48,3765.31 U?.V10@7265,1747.52 U?.V10@8185,2877.52 U?.V10@9160,617.52 U?.V10@9525,4492.52 U?.V10@9645,2852.52 U?.V10@10087.48,5975 U?.V10@10367.48,5925 U?.V10@11275,1182.52 U?.V10@12412.48,3785 U?.V11@7284.68,1747.52 U?.V11@8204.68,2877.52 U?.V11@9179.68,617.52 U?.V11@9544.68,4492.52 U?.V11@9664.68,2852.52 U?.V11@10087.48,5994.69 U?.V11@10367.48,5944.69 U?.V11@11294.68,1182.52 U?.V11@12412.48,3804.69 U?.V12@7304.37,1747.52 U?.V12@8224.37,2877.52 U?.V12@9199.37,617.52 U?.V12@9564.37,4492.52 U?.V12@9684.37,2852.52 U?.V12@10087.48,6014.37 U?.V12@10367.48,5964.37 U?.V12@11314.37,1182.52 U?.V12@12412.48,3824.37 U?.V13@7324.06,1747.52 U?.V13@8244.06,2877.52 U?.V13@9519.06,7307.52 U?.V13@9584.06,4492.52 U?.V13@9704.06,2852.52 U?.V13@10087.48,6034.06 U?.V13@10367.48,5984.06 U?.V13@11334.06,1182.52 U?.V13@12412.48,3844.06 U?.V14@7343.74,1747.52 U?.V14@8263.74,2877.52 U?.V14@9538.74,7307.52 U?.V14@9603.74,4492.52 U?.V14@9723.74,2852.52 U?.V14@10087.48,6053.74 U?.V14@10367.48,6003.74 U?.V14@11353.74,1182.52 U?.V14@12412.48,3863.74 U?.V15@7363.43,1747.52 U?.V15@8283.43,2877.52 U?.V15@9558.43,7307.52 U?.V15@9623.43,4492.52 U?.V15@9743.43,2852.52 U?.V15@10087.48,6073.43 U?.V15@10367.48,6023.43 U?.V15@11373.43,1182.52 U?.V15@12412.48,3883.43 U?.V16@7383.11,1747.52 U?.V16@8303.11,2877.52 U?.V16@9578.11,7307.52 U?.V16@9643.11,4492.52 U?.V16@9763.11,2852.52 U?.V16@10087.48,6093.11 U?.V16@10367.48,6043.11 U?.V16@11393.11,1182.52 U?.V16@12412.48,3903.11 U?.V17@7402.8,1747.52 U?.V17@8322.8,2877.52 U?.V17@9597.8,7307.52 U?.V17@9662.8,4492.52 U?.V17@9782.8,2852.52 U?.V17@10087.48,6112.8 U?.V17@10367.48,6062.8 U?.V17@11412.8,1182.52 U?.V17@12412.48,3922.8 U?.V18@7422.48,1747.52 U?.V18@9317.48,617.52 U?.V18@9617.48,7307.52 U?.V18@9682.48,4492.52 U?.V18@9802.48,2852.52 U?.V18@10087.48,6132.48 U?.V18@10367.48,6082.48 U?.V18@11432.48,1182.52 U?.V18@12412.48,3942.48 U?.V19@7442.17,1747.52 U?.V19@8362.17,2877.52 U?.V19@9637.17,7307.52 U?.V19@9702.17,4492.52 U?.V19@9822.17,2852.52 U?.V19@10087.48,6152.17 U?.V19@10367.48,6102.17 U?.V19@11452.17,1182.52 U?.V19@12412.48,3962.17 U?.W1@7087.83,1727.83 U?.W1@8982.83,597.83 U?.W1@9282.83,7287.83 U?.W1@9347.83,4472.83 U?.W1@9467.83,2832.83 U?.W1@10107.17,5797.83 U?.W1@10387.17,5747.83 U?.W1@11097.83,1162.83 U?.W1@12432.17,3607.83 U?.W2@7107.52,1727.83 U?.W2@8027.52,2857.83 U?.W2@9002.52,597.83 U?.W2@9302.52,7287.83 U?.W2@9487.52,2832.83 U?.W2@10107.17,5817.52 U?.W2@10387.17,5767.52 U?.W2@11117.52,1162.83 U?.W2@12432.17,3627.52 U?.W3@7127.2,1727.83 U?.W3@8047.2,2857.83 U?.W3@9022.2,597.83 U?.W3@9322.2,7287.83 U?.W3@9507.2,2832.83 U?.W3@10107.17,5837.2 U?.W3@10387.17,5787.2 U?.W3@11137.2,1162.83 U?.W3@12432.17,3647.2 U?.W4@7146.89,1727.83 U?.W4@8066.89,2857.83 U?.W4@9041.89,597.83 U?.W4@9341.89,7287.83 U?.W4@9526.89,2832.83 U?.W4@10107.17,5856.89 U?.W4@10387.17,5806.89 U?.W4@11156.89,1162.83 U?.W4@12432.17,3666.89 U?.W5@7166.57,1727.83 U?.W5@8086.57,2857.83 U?.W5@9061.57,597.83 U?.W5@9361.57,7287.83 U?.W5@9546.57,2832.83 U?.W5@10107.17,5876.57 U?.W5@10387.17,5826.57 U?.W5@11176.57,1162.83 U?.W5@12432.17,3686.57 U?.W6@7186.26,1727.83 U?.W6@8106.26,2857.83 U?.W6@9081.26,597.83 U?.W6@9381.26,7287.83 U?.W6@9566.26,2832.83 U?.W6@10107.17,5896.26 U?.W6@10387.17,5846.26 U?.W6@11196.26,1162.83 U?.W6@12432.17,3706.26 U?.W7@7205.94,1727.83 U?.W7@8125.94,2857.83 U?.W7@9100.94,597.83 U?.W7@9400.94,7287.83 U?.W7@9585.94,2832.83 U?.W7@10107.17,5915.94 U?.W7@10387.17,5865.94 U?.W7@11215.94,1162.83 U?.W7@12432.17,3725.94 U?.W8@7225.63,1727.83 U?.W8@8145.63,2857.83 U?.W8@9120.63,597.83 U?.W8@9485.63,4472.83 U?.W8@9605.63,2832.83 U?.W8@10107.17,5935.63 U?.W8@10387.17,5885.63 U?.W8@11235.63,1162.83 U?.W8@12432.17,3745.63 U?.W9@7245.31,1727.83 U?.W9@8165.31,2857.83 U?.W9@9140.31,597.83 U?.W9@9505.31,4472.83 U?.W9@9625.31,2832.83 U?.W9@10107.17,5955.31 U?.W9@10387.17,5905.31 U?.W9@11255.31,1162.83 U?.W9@12432.17,3765.31 U?.W10@7265,1727.83 U?.W10@8185,2857.83 U?.W10@9160,597.83 U?.W10@9525,4472.83 U?.W10@9645,2832.83 U?.W10@10107.17,5975 U?.W10@10387.17,5925 U?.W10@11275,1162.83 U?.W10@12432.17,3785 U?.W11@7284.68,1727.83 U?.W11@8204.68,2857.83 U?.W11@9179.68,597.83 U?.W11@9544.68,4472.83 U?.W11@9664.68,2832.83 U?.W11@10107.17,5994.69 U?.W11@10387.17,5944.69 U?.W11@11294.68,1162.83 U?.W11@12432.17,3804.69 U?.W12@7304.37,1727.83 U?.W12@9199.37,597.83 U?.W12@9499.37,7287.83 U?.W12@9564.37,4472.83 U?.W12@9684.37,2832.83 U?.W12@10107.17,6014.37 U?.W12@10387.17,5964.37 U?.W12@11314.37,1162.83 U?.W12@12432.17,3824.37 U?.W13@7324.06,1727.83 U?.W13@8244.06,2857.83 U?.W13@9519.06,7287.83 U?.W13@9584.06,4472.83 U?.W13@9704.06,2832.83 U?.W13@10107.17,6034.06 U?.W13@10387.17,5984.06 U?.W13@11334.06,1162.83 U?.W13@12432.17,3844.06 U?.W14@7343.74,1727.83 U?.W14@8263.74,2857.83 U?.W14@9538.74,7287.83 U?.W14@9603.74,4472.83 U?.W14@9723.74,2832.83 U?.W14@10107.17,6053.74 U?.W14@10387.17,6003.74 U?.W14@11353.74,1162.83 U?.W14@12432.17,3863.74 U?.W15@7363.43,1727.83 U?.W15@8283.43,2857.83 U?.W15@9558.43,7287.83 U?.W15@9623.43,4472.83 U?.W15@9743.43,2832.83 U?.W15@10107.17,6073.43 U?.W15@10387.17,6023.43 U?.W15@11373.43,1162.83 U?.W15@12432.17,3883.43 U?.W16@7383.11,1727.83 U?.W16@8303.11,2857.83 U?.W16@9578.11,7287.83 U?.W16@9643.11,4472.83